# KiCad board Marble.kicad_pcb (continued)
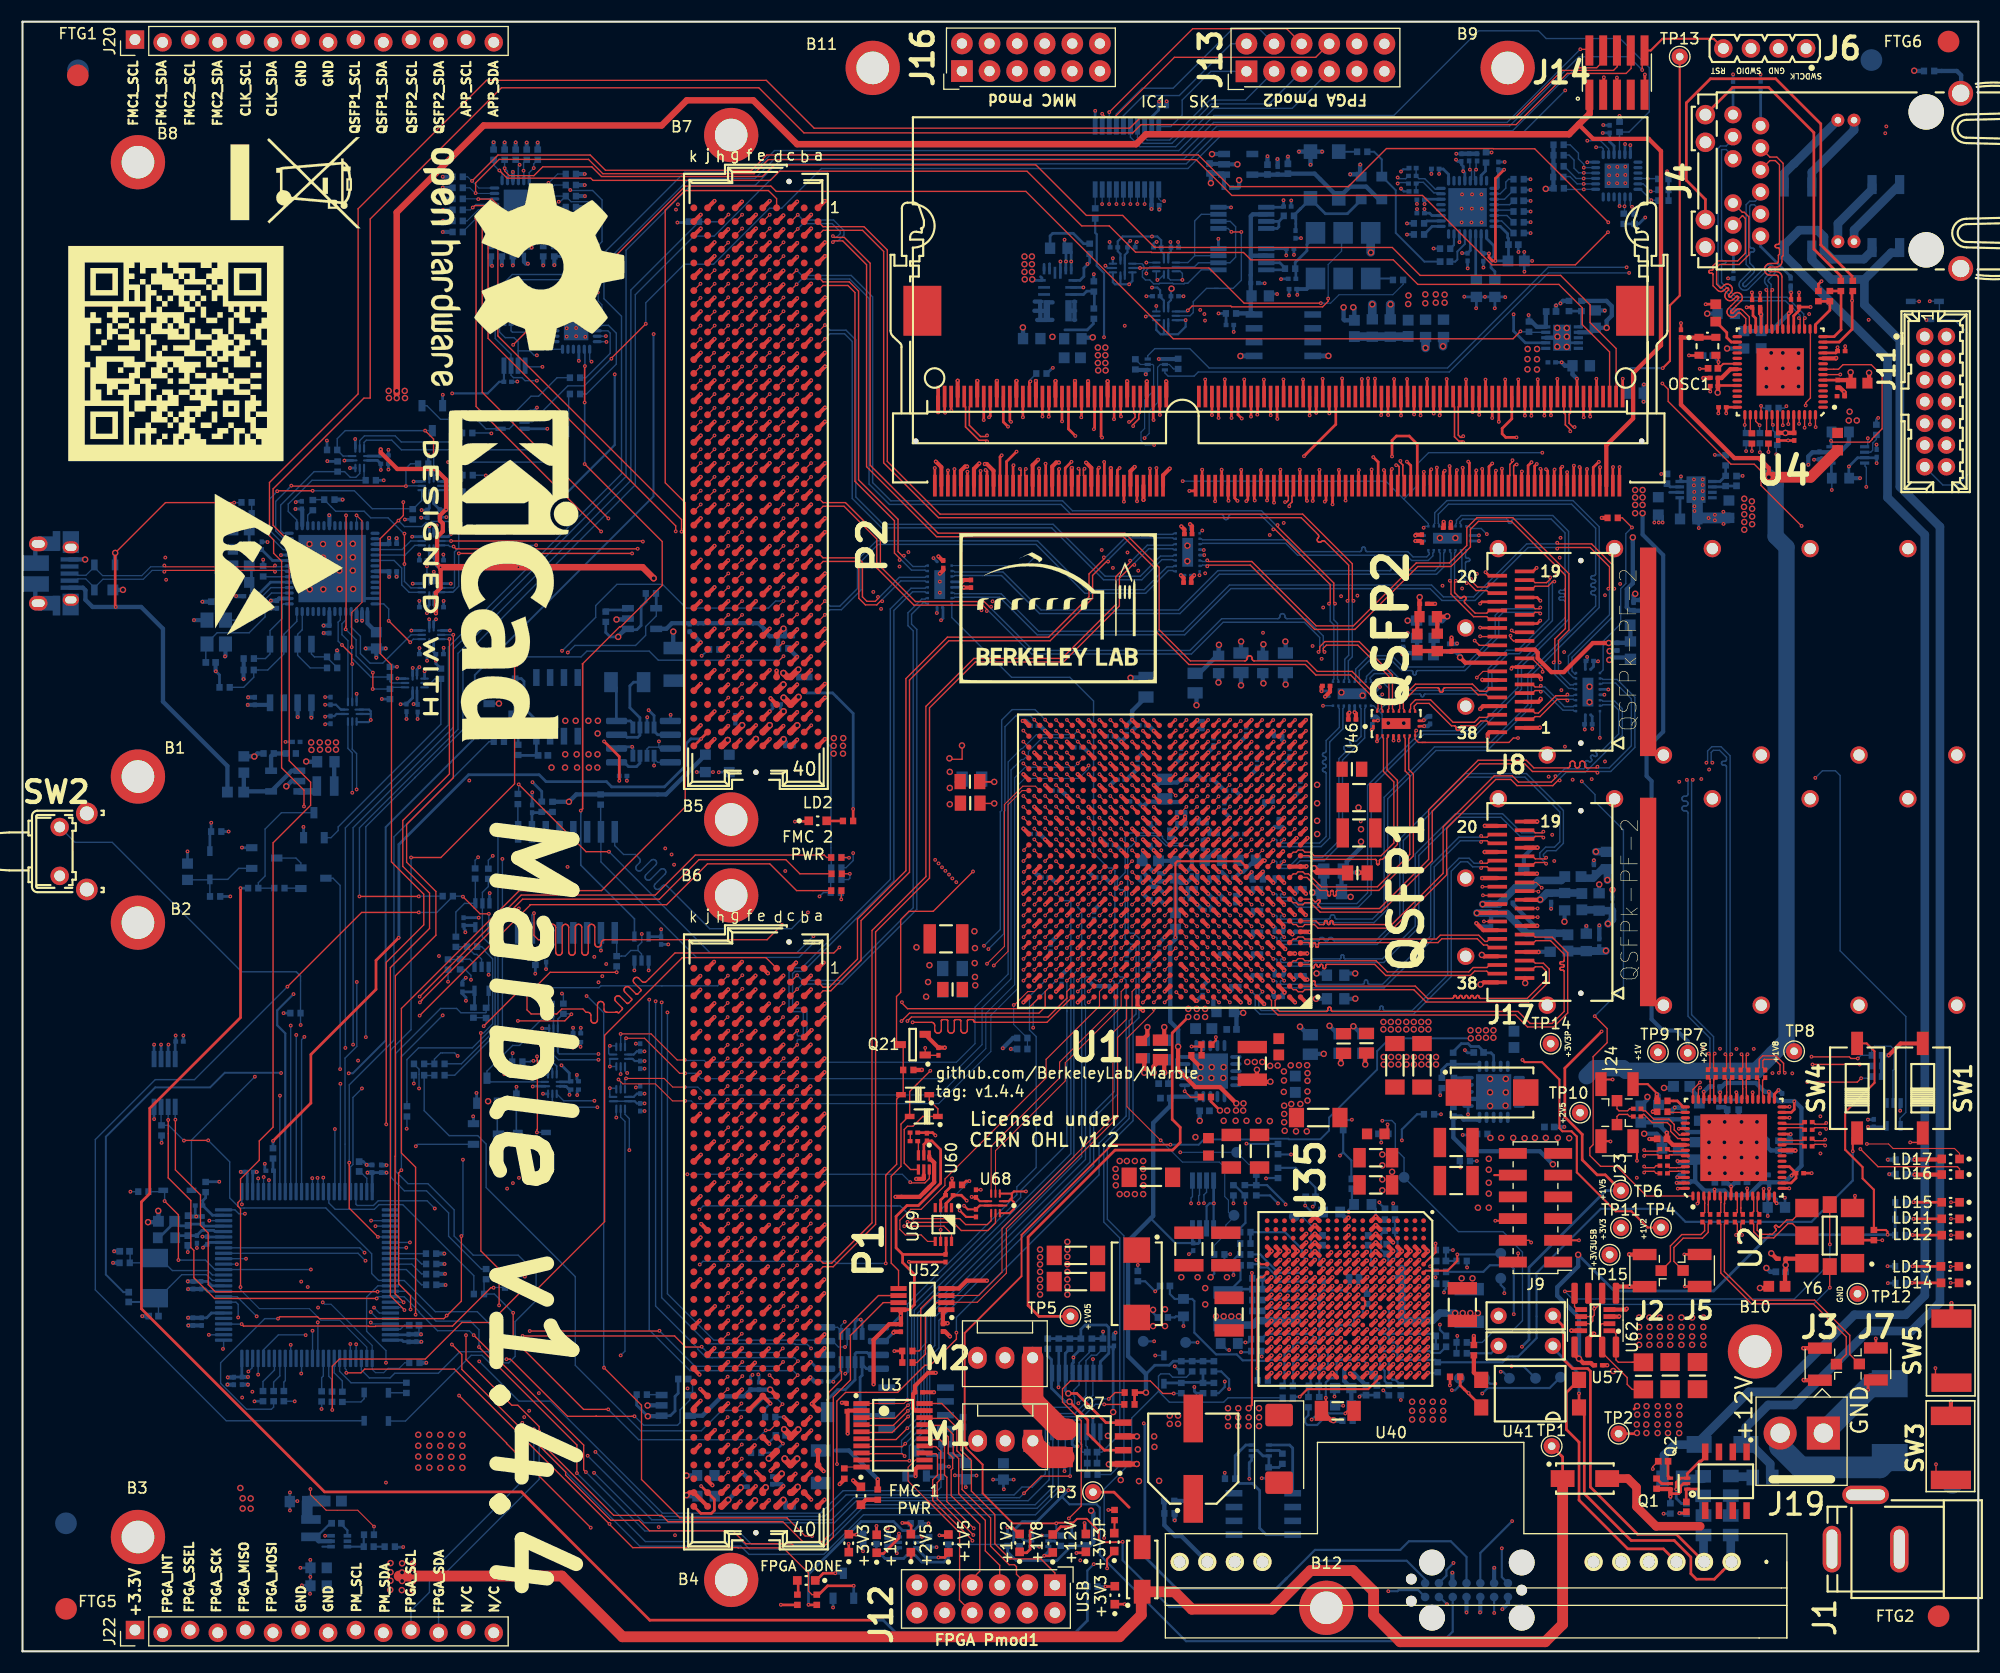
[diagram p0: board, top side]
## Routing (per net, layer and track width the routed paths; a pad name or vN(x,y) marks a point on that pad's centre or on a via; arc(x,y) is an arc through that point) (continued)
FMC2_LA_3_P: length 61
  Top w0.11: 92.61,83.23 v1(92.11,83.73)
  Top w0.112: P2.G9 v1(66.23,123.35)
  In2.Cu w0.1: v1(92.11,83.73) 92.11,84.01 92.2,84.1 92.68,84.1 93,84.43 93,85.25 92.74,85.52 92.74,86.42 87,92.16 87,96.95 87.43,97.38 87.43,105.59 86.48,106.54 86.48,114.93 81.15,120.26 71.11,120.26 70.81,120.57 70.81,121.16 70.32,121.64 68.35,121.64 68.24,121.76 68.24,122.41 67.79,122.86 66.72,122.86 v1(66.23,123.35)
FMC2_LA_4_N: length 73
  Top w0.11: U1.W21 97.12,78.73 v1(97.12,78.73)
  Top w0.112: P2.H11 64.34,120.17 v1(64.95,120.78)
  In9.Cu w0.1: v1(97.12,78.73) 96.76,78.38 95.97,78.38 95.76,78.58 95.76,87.51 87.45,95.82 87.45,103.38 86.48,104.35 86.48,109.3 85.18,110.59 85.18,112.23 83.83,113.58 83.83,117.45 77.1,124.18 64.81,124.18 64.16,123.53 64.16,121.67 64.57,121.26 64.86,121.26 64.95,121.17 v1(64.95,120.78)
FMC2_LA_4_P: length 72
  Top w0.11: U1.V21 97.12,77.73 v1(97.12,77.73)
  Top w0.112: v1(64.95,122.03) 64.36,121.44 P2.H10
  In9.Cu w0.1: v1(64.95,122.03) 64.95,121.65 64.85,121.55 64.69,121.55 64.45,121.79 64.45,123.4 64.93,123.89 76.98,123.89 83.54,117.33 83.54,113.46 84.89,112.11 84.89,110.47 86.19,109.18 86.19,104.23 87.16,103.26 87.16,95.7 95.47,87.39 95.47,78.46 95.85,78.09 96.76,78.09 v1(97.12,77.73)
FMC2_LA_5_N: length 59.7
  Top w0.11: 92.61,82.24 92.6,82.24 v1(92.11,82.73)
  Top w0.112: v1(70.04,119.54) P2.D12 69.4,118.93
  In9.Cu w0.1: v1(70.04,119.54) 70.53,120.03 79.03,120.03 82.26,116.79 82.26,113.36 83.66,111.96 83.66,110.08 83.16,109.59 83.16,103.78 84.98,101.96 84.98,95.23 85.36,94.85 85.36,88.86 87.17,87.05 92.68,87.05 93.48,86.25 93.48,82.5 93.35,82.38 92.19,82.38 92.11,82.45 v1(92.11,82.73)
FMC2_LA_5_P: length 60.6
  Top w0.11: 92.61,81.23 v1(92.11,81.73)
  Top w0.112: P2.D11 v1(70.04,120.81)
  In9.Cu w0.1: v1(70.04,120.81) 70.53,120.32 79.15,120.32 82.55,116.91 82.55,113.48 83.95,112.08 83.95,109.96 83.45,109.47 83.45,103.9 85.27,102.08 85.27,95.35 85.65,94.97 85.65,88.98 87.29,87.34 92.8,87.34 93.77,86.37 93.77,82.38 93.47,82.09 92.19,82.09 92.11,82.01 v1(92.11,81.73)
FMC2_LA_6_N: length 56.9
  Top w0.11: U1.AD24 v1(94.12,83.73)
  Top w0.112: 70.7,120.15 v1(71.33,120.78)
  In2.Cu w0.1: v1(71.33,120.78) 71.82,121.27 83.39,121.27 87.1,117.56 87.1,116.14 87.39,115.84 87.39,108.39 88.48,107.3 88.48,97.22 87.58,96.32 87.58,95.35 88.48,94.45 88.48,91.99 94.47,86 94.47,84.09 v1(94.12,83.73)
FMC2_LA_6_P: length 57.4
  Top w0.11: U1.AD23 v1(95.12,83.73)
  Top w0.112: 70.7,121.42 v1(71.33,122.05)
  In2.Cu w0.1: v1(71.33,122.05) 71.82,121.56 83.51,121.56 87.39,117.68 87.39,116.26 87.68,115.96 87.68,108.51 88.77,107.42 88.77,97.1 87.87,96.2 87.87,95.47 88.77,94.57 88.77,92.11 94.76,86.12 94.76,84.09 v1(95.12,83.73)
FMC2_LA_7_N: length 67.1
  Top w0.11: U1.AC22 v1(96.12,82.73)
  Top w0.112: P2.H14 v1(64.96,117)
  In2.Cu w0.1: v1(64.96,117) 64.96,117.35 64.84,117.47 64.43,117.47 64.11,117.79 64.11,118.57 64.61,119.06 65.46,119.06 65.79,118.73 65.79,118.08 66.12,117.75 78.09,117.75 83.85,111.99 83.85,110.33 83.29,109.77 83.29,104.5 85.18,102.6 85.18,85.13 86.08,84.22 88.56,84.22 90.41,82.38 95.76,82.38 v1(96.12,82.73)
FMC2_LA_7_P: length 66.1
  Top w0.11: U1.AB22 v1(96.12,81.73)
  Top w0.112: P2.H13 64.35,117.63 v1(64.95,118.23)
  In2.Cu w0.1: v1(96.12,81.73) 95.76,82.09 90.29,82.09 88.44,83.93 85.96,83.93 84.89,85.01 84.89,102.48 83,104.38 83,109.89 83.56,110.45 83.56,111.87 77.97,117.46 66,117.46 65.5,117.96 65.5,118.61 65.34,118.77 64.73,118.77 64.4,118.45 64.4,117.91 64.55,117.76 64.82,117.76 64.95,117.89 v1(64.95,118.23)
FMC2_LA_8_N: length 59.1
  Top w0.11: U1.AC24 v1(94.12,82.73)
  Top w0.112: P2.G13 v1(66.23,118.27)
  In2.Cu w0.1: v1(66.23,118.27) 66.72,118.76 78.27,118.76 84.47,112.55 84.47,104.79 85.74,103.52 85.74,88.56 87.9,86.41 87.9,85.71 90.52,83.09 94.27,83.09 94.47,82.88 94.47,82.78 94.42,82.73 v1(94.12,82.73)
FMC2_LA_8_P: length 59.6
  Top w0.11: U1.AC23 v1(95.12,82.73)
  Top w0.112: P2.G12 v1(66.23,119.54)
  In2.Cu w0.1: v1(66.23,119.54) 66.72,119.05 78.39,119.05 84.76,112.67 84.76,104.91 86.03,103.64 86.03,88.68 88.19,86.53 88.19,85.83 90.64,83.38 94.39,83.38 94.76,83 94.76,82.78 94.82,82.73 v1(95.12,82.73)
FMC2_LA_9_N: length 57
  Top w0.11: 92.61,77.24 v1(92.11,77.74)
  Top w0.112: P2.D15 v1(70.04,115.73)
  In9.Cu w0.1: v1(70.04,115.73) 70.04,116.12 69.94,116.22 69.55,116.22 69.47,116.14 69.47,115.44 69.69,115.23 76.14,115.23 78.6,112.77 78.6,99.58 80.25,97.93 80.25,85.28 85.14,80.4 86.19,80.4 89.21,77.38 91.75,77.38 v1(92.11,77.74)
FMC2_LA_9_P: length 57.8
  Top w0.11: v1(92.11,76.73) 92.61,76.23 92.61,76.22
  Top w0.112: P2.D14 v1(70.04,117)
  In9.Cu w0.1: v1(70.04,117) 69.79,117 69.18,116.39 69.18,115.32 69.57,114.94 76.02,114.94 78.31,112.65 78.31,99.46 79.96,97.81 79.96,85.16 85.02,80.11 86.07,80.11 89.45,76.73 v1(92.11,76.73)
FMC2_LA_10_N: length 47
  Top w0.11: U1.AF23 v1(95.12,85.73)
  Top w0.112: P2.C15 v1(71.31,115.73)
  In4.Cu w0.1: v1(71.31,115.73) 71.31,116.16 71.25,116.22 70.83,116.22 70.71,116.09 70.71,115.33 70.75,115.29 75.3,115.29 82.69,107.9 82.69,106.86 87.47,102.08 87.47,101.18 90.87,97.78 90.87,95.09 93.76,92.2 93.76,86.04 93.76,85.6 93.99,85.38 94.76,85.38 v1(95.12,85.73)
FMC2_LA_10_P: length 48
  Top w0.11: U1.AE23 v1(95.12,84.73)
  Top w0.112: P2.C14 v1(71.31,117)
  In4.Cu w0.1: v1(95.12,84.73) 94.76,85.09 93.87,85.09 93.47,85.48 93.47,85.58 93.47,85.58 93.47,85.92 93.47,92.08 90.58,94.97 90.58,97.66 87.18,101.06 87.18,101.96 82.4,106.74 82.4,107.78 75.18,115 70.63,115 70.42,115.21 70.42,116.21 70.71,116.51 71.24,116.51 71.31,116.57 v1(71.31,117)
FMC2_LA_11_N: length 62.3
  Top w0.11: U1.W24 94.12,78.73 v1(94.12,78.73)
  Top w0.112: P2.H17 v1(64.96,113.19)
  In2.Cu w0.1: v1(64.96,113.19) 65.45,113.68 75.81,113.68 80.6,108.89 80.6,102.99 81.97,101.62 81.97,89.07 82.71,88.33 82.71,81.37 83.98,80.1 86.7,80.1 87.63,79.17 92.64,79.17 93.55,80.08 94.29,80.08 94.31,80.06 94.34,80.06 94.47,79.93 94.47,79.09 v1(94.12,78.73)
FMC2_LA_11_P: length 62.8
  Top w0.11: U1.W23 95.12,78.73 v1(95.12,78.73)
  Top w0.112: P2.H16 v1(64.96,114.46)
  In2.Cu w0.1: v1(95.12,78.73) 94.76,79.09 94.76,80.05 94.46,80.35 94.43,80.35 94.41,80.37 93.43,80.37 92.52,79.46 87.75,79.46 86.82,80.39 84.1,80.39 83,81.49 83,88.45 82.26,89.19 82.26,101.74 80.89,103.11 80.89,109.01 75.93,113.97 65.45,113.97 v1(64.96,114.46)
FMC2_LA_12_N: length 61.2
  Top w0.11: U1.AB25 v1(93.12,81.73)
  Top w0.112: P2.G16 v1(66.23,114.46)
  In2.Cu w0.1: v1(93.12,81.73) 93.12,81.49 93,81.38 86.85,81.38 86.51,81.72 84.65,81.72 84.04,82.33 84.04,89.26 83.3,89.99 83.3,102.46 82.07,103.7 82.07,109.43 75.01,116.49 65.79,116.49 65.44,116.14 65.44,115.32 65.81,114.95 66.12,114.95 66.23,114.84 v1(66.23,114.46)
FMC2_LA_12_P: length 60.2
  Top w0.11: U1.AA25 v1(93.12,80.73)
  Top w0.112: P2.G15 v1(66.23,115.73)
  In2.Cu w0.1: v1(93.12,80.73) 93.12,80.97 93,81.09 86.73,81.09 86.39,81.43 84.53,81.43 83.75,82.21 83.75,89.14 83.01,89.87 83.01,102.34 81.78,103.58 81.78,109.31 74.89,116.2 65.91,116.2 65.72,116.02 65.72,115.44 65.93,115.24 66.14,115.24 66.23,115.32 v1(66.23,115.73)
FMC2_LA_13_N: length 56.9
  Top w0.11: v1(94.12,77.74) 94.12,77.73 U1.V24
  Top w0.112: P2.D18 v1(70.04,111.92)
  In2.Cu w0.1: v1(70.04,111.92) 70.53,112.41 75.77,112.41 79.32,108.86 79.32,99.57 80.95,97.94 80.95,88.55 81.6,87.9 81.6,80.77 83.75,78.63 86.52,78.63 87.93,77.21 89.99,77.21 90.87,78.09 94.32,78.09 94.47,77.94 94.47,77.8 94.42,77.74 v1(94.12,77.74)
FMC2_LA_13_P: length 57.4
  Top w0.11: U1.V23 95.12,77.73 v1(95.12,77.74)
  Top w0.112: P2.D17 v1(70.04,113.19)
  In2.Cu w0.1: v1(70.04,113.19) 70.53,112.7 75.89,112.7 79.61,108.98 79.61,99.69 81.24,98.06 81.24,88.67 81.89,88.02 81.89,80.89 83.87,78.92 86.64,78.92 88.05,77.5 89.87,77.5 90.75,78.38 94.44,78.38 94.76,78.06 94.76,77.8 94.83,77.74 v1(95.12,77.74)
FMC2_LA_14_N: length 54.5
  Top w0.11: U1.U25 v1(93.12,76.73)
  Top w0.112: P2.C19 v1(71.31,110.65)
  In2.Cu w0.1: 93.12,76.73 93.42,76.73 93.47,76.79 93.47,76.94 93.33,77.08 91.31,77.08 90.64,76.42 85.99,76.42 85.47,76.93 83.47,76.93 80.43,79.98 80.43,87.52 79.98,87.96 79.98,97.31 78.33,98.97 78.33,108.16 75.35,111.14 71.8,111.14 v1(71.31,110.65)
FMC2_LA_14_P: length 55
  Top w0.11: U1.U24 v1(94.12,76.73)
  Top w0.112: P2.C18 v1(71.31,111.92)
  In2.Cu w0.1: v1(71.31,111.92) 71.8,111.43 75.47,111.43 78.62,108.28 78.62,99.09 80.27,97.43 80.27,88.08 80.72,87.64 80.72,80.1 83.59,77.22 85.59,77.22 86.11,76.71 90.52,76.71 91.19,77.37 93.45,77.37 93.76,77.05 93.76,76.79 93.83,76.73 v1(94.12,76.73)
FMC2_LA_15_N: length 67.8
  Top w0.11: U1.V22 v1(96.12,77.73)
  Top w0.112: P2.H20 v1(64.96,109.38)
  In2.Cu w0.1: v1(96.12,77.73) 95.76,77.38 94.84,77.38 94.47,77 94.47,76.56 94.29,76.38 91.64,76.38 90.86,75.59 83.6,75.59 79.7,79.5 79.7,86.77 77.64,88.83 77.64,107.83 75.3,110.17 69.92,110.17 69.59,110.5 69.59,110.96 69.11,111.44 64.5,111.44 64.04,110.98 64.04,110.82 64.04,110.81 64.04,110.48 64.04,110.47 64.04,110.14 64.31,109.87 64.81,109.87 64.96,109.72 v1(64.96,109.38)
FMC2_LA_15_P: length 66.9
  Top w0.11: U1.U22 v1(96.12,76.73)
  Top w0.112: P2.H19 v1(64.96,110.65)
  In2.Cu w0.1: v1(96.12,76.73) 95.76,77.09 94.97,77.09 94.76,76.88 94.76,76.44 94.41,76.09 91.76,76.09 90.98,75.3 83.48,75.3 79.41,79.38 79.41,86.65 77.35,88.71 77.35,107.71 75.18,109.88 69.8,109.88 69.3,110.38 69.3,110.84 68.99,111.15 64.62,111.15 64.33,110.86 64.33,110.36 64.33,110.35 64.33,110.26 64.43,110.16 64.85,110.16 64.96,110.26 v1(64.96,110.65)
FMC2_LA_16_N: length 52.4
  Top w0.11: 92.61,78.23 92.61,78.23 v1(92.11,78.73)
  Top w0.112: P2.G19 v1(66.23,110.65)
  In4.Cu w0.1: v1(66.23,110.65) 66.72,111.14 74.24,111.14 79.03,106.35 79.03,99.39 80.6,97.82 80.6,96.75 87.9,89.44 87.9,79.77 88.48,79.2 92.39,79.2 92.47,79.11 92.47,78.82 92.38,78.73 v1(92.11,78.73)
FMC2_LA_16_P: length 52.9
  Top w0.11: v1(93.11,78.73) 93.61,78.23 93.61,78.23
  Top w0.112: P2.G18 v1(66.23,111.92)
  In4.Cu w0.1: v1(93.11,78.73) 92.84,78.73 92.76,78.82 92.76,79.24 92.51,79.49 88.6,79.49 88.19,79.89 88.19,89.56 80.89,96.87 80.89,97.94 79.32,99.51 79.32,106.47 74.36,111.43 66.72,111.43 v1(66.23,111.92)
FMC2_LA_17_N: length 64
  Top w0.11: U1.F23 v1(95.12,64.73)
  Top w0.112: P2.D21 v1(70.04,108.11)
  In4.Cu w0.1: v1(95.12,64.73) 95.34,64.95 95.34,65.04 95.3,65.08 94.82,65.08 94.47,65.44 94.47,65.89 94.27,66.08 93.31,66.08 91.6,66.09 90.35,67.34 90.35,73.52 87.8,76.07 81.62,76.07 81.12,76.57 81.12,88.91 75.53,94.49 75.53,107 73.94,108.6 70.53,108.6 v1(70.04,108.11)
FMC2_LA_17_P: length 64.5
  Top w0.11: U1.G22 v1(96.12,65.73)
  Top w0.112: P2.D20 v1(70.04,109.38)
  In4.Cu w0.1: v1(96.12,65.73) 95.76,65.37 94.94,65.37 94.76,65.56 94.76,66.01 94.39,66.37 93.43,66.37 91.72,66.38 90.64,67.46 90.64,73.64 87.92,76.36 81.74,76.36 81.41,76.69 81.41,89.03 75.82,94.61 75.82,107.12 74.06,108.89 70.53,108.89 v1(70.04,109.38)
FMC2_LA_18_N: length 59.4
  Top w0.11: U1.F24 v1(94.12,64.73)
  Top w0.112: P2.C23 v1(71.31,105.57)
  In4.Cu w0.1: v1(94.12,64.73) 93.76,65.09 90.85,65.09 89.15,66.78 89.15,72.94 87.32,74.78 81.11,74.78 79.84,76.05 79.84,87.01 74.4,92.45 74.4,105.5 73.85,106.06 71.8,106.06 v1(71.31,105.57)
FMC2_LA_18_P: length 59.4
  Top w0.11: U1.G24 94.12,65.73 v1(94.12,65.73)
  Top w0.112: P2.C22 v1(71.31,106.84)
  In4.Cu w0.1: v1(71.31,106.84) 71.8,106.35 73.97,106.35 74.69,105.62 74.69,92.57 80.13,87.13 80.13,76.17 81.23,75.07 87.44,75.07 89.44,73.06 89.44,66.9 90.97,65.38 93.76,65.38 v1(94.12,65.73)
FMC2_LA_19_N: length 64.5
  Top w0.11: U1.J23 v1(95.12,67.73)
  Top w0.112: P2.H23 v1(64.96,105.57)
  In2.Cu w0.1: v1(64.96,105.57) 65.45,106.06 73.77,106.06 74.39,105.44 74.39,86.46 76.25,84.6 76.25,80.41 75.41,79.57 75.41,77.17 78.11,74.47 78.87,74.47 85.25,68.09 94.76,68.09 v1(95.12,67.73)
FMC2_LA_19_P: length 64.5
  Top w0.11: U1.K23 v1(95.12,68.73)
  Top w0.112: P2.H22 v1(64.96,106.84)
  In2.Cu w0.1: v1(64.96,106.84) 65.45,106.35 73.89,106.35 74.68,105.56 74.68,86.58 76.54,84.72 76.54,80.29 75.7,79.45 75.7,77.29 78.23,74.76 78.99,74.76 85.37,68.38 94.76,68.38 v1(95.12,68.73)
FMC2_LA_20_N: length 63.1
  Top w0.11: U1.K22 96.12,68.73 v1(96.12,68.73)
  Top w0.112: P2.G22 v1(66.23,106.84)
  In2.Cu w0.1: v1(66.23,106.84) 66.72,107.33 74.11,107.33 75.31,106.13 75.31,87.32 77.33,85.29 77.33,77.82 86.06,69.09 95.76,69.09 v1(96.12,68.73)
FMC2_LA_20_P: length 63.1
  Top w0.11: v1(96.12,69.73) 96.12,69.73 U1.L22
  Top w0.112: P2.G21 v1(66.23,108.11)
  In2.Cu w0.1: v1(66.23,108.11) 66.72,107.62 74.23,107.62 75.6,106.25 75.6,87.44 77.62,85.41 77.62,77.94 86.18,69.38 95.76,69.38 v1(96.12,69.73)
FMC2_LA_21_N: length 62
  Top w0.11: U1.H22 v1(96.12,66.73)
  Top w0.112: P2.H26 v1(64.96,101.76)
  In7.Cu w0.1: v1(96.12,66.73) 96.47,67.08 96.47,69.89 96.27,70.09 95.41,70.09 95.41,70.09 94.83,70.09 94.83,70.09 94.41,70.09 94.41,70.09 91.84,70.09 91.83,70.09 91.82,70.09 91.81,70.09 85.59,70.09 81.45,74.23 81.45,75.19 79.23,77.41 79.23,86.31 77.41,88.12 77.41,98.69 73.85,102.25 65.45,102.25 v1(64.96,101.76)
FMC2_LA_21_P: length 61.9
  Top w0.11: U1.J21 v1(97.12,67.73)
  Top w0.112: P2.H25 v1(64.96,103.03)
  In7.Cu w0.1: v1(64.96,103.03) 65.45,102.54 73.97,102.54 77.7,98.81 77.7,88.24 79.52,86.43 79.52,77.53 81.74,75.31 81.74,74.35 85.71,70.38 91.69,70.38 91.7,70.38 91.95,70.38 91.96,70.38 94.29,70.38 94.29,70.38 94.95,70.38 94.95,70.38 95.29,70.38 95.29,70.38 96.39,70.38 96.76,70.01 96.76,67.61 96.85,67.52 96.91,67.52 v1(97.12,67.73)
FMC2_LA_22_N: length 64.8
  Top w0.11: U1.D25 v1(93.12,62.73)
  Top w0.112: P2.G25 v1(66.23,103.03)
  In2.Cu w0.1: v1(93.12,62.73) 92.76,63.09 90.73,63.09 88.07,60.43 84.58,60.43 84.24,60.76 82.52,60.76 79.16,64.13 79.16,64.47 70.43,73.19 70.43,82.34 69.23,83.55 69.23,84.07 68.82,84.48 68.45,84.48 68.4,84.53 67.11,84.53 66.77,84.87 66.77,103.46 66.71,103.52 66.33,103.52 66.23,103.41 v1(66.23,103.03)
FMC2_LA_22_P: length 64.8
  Top w0.11: U1.E25 v1(93.12,63.73)
  Top w0.112: P2.G24 v1(66.23,104.3)
  In2.Cu w0.1: v1(93.12,63.73) 92.76,63.38 90.61,63.38 87.95,60.72 84.7,60.72 84.36,61.05 82.64,61.05 79.45,64.25 79.45,64.59 70.72,73.31 70.72,82.46 69.52,83.67 69.52,84.19 68.94,84.77 68.57,84.77 68.52,84.82 67.23,84.82 67.06,84.99 67.06,103.58 66.83,103.81 66.33,103.81 66.23,103.9 v1(66.23,104.3)
FMC2_LA_23_N: length 58.3
  Top w0.11: U1.H24 v1(94.12,66.73)
  Top w0.112: P2.D24 v1(70.04,104.3)
  In2.Cu w0.1: v1(70.04,104.3) 70.53,104.79 72.74,104.79 73.07,104.45 73.07,83.66 73.4,83.34 73.4,79.4 73.95,78.85 73.95,76.58 83.44,67.08 94.27,67.08 94.49,66.86 94.49,66.76 94.46,66.73 v1(94.12,66.73)
FMC2_LA_23_P: length 58.7
  Top w0.11: U1.H23 v1(95.12,66.73)
  Top w0.112: P2.D23 v1(70.04,105.57)
  In2.Cu w0.1: v1(70.04,105.57) 70.53,105.08 72.86,105.08 73.36,104.57 73.36,83.78 73.69,83.46 73.69,79.52 74.24,78.97 74.24,76.7 83.56,67.37 94.39,67.37 94.72,67.05 94.72,66.8 94.79,66.73 v1(95.12,66.73)
FMC2_LA_24_N: length 55.1
  Top w0.11: U1.J25 v1(93.12,67.73)
  Top w0.112: P2.H29 v1(64.96,97.95)
  In7.Cu w0.1: v1(93.12,67.73) 93.41,67.73 93.47,67.79 93.47,67.9 93.29,68.09 84.38,68.09 79.34,73.13 79.34,74.2 77.1,76.44 77.1,84.98 75.44,86.65 75.44,96.98 73.99,98.44 65.45,98.44 v1(64.96,97.95)
FMC2_LA_24_P: length 55.6
  Top w0.11: U1.J24 v1(94.12,67.73)
  Top w0.112: P2.H28 v1(64.96,99.22)
  In7.Cu w0.1: v1(94.12,67.73) 93.83,67.73 93.76,67.79 93.76,68.02 93.41,68.38 84.5,68.38 79.63,73.25 79.63,74.32 77.39,76.56 77.39,85.1 75.73,86.77 75.73,97.1 74.11,98.73 65.45,98.73 v1(64.96,99.22)
FMC2_LA_25_N: length 66.7
  Top w0.11: U1.D24 v1(94.12,62.73)
  Top w0.112: P2.G28 v1(66.23,99.22)
  In2.Cu w0.1: v1(66.23,99.22) 66.23,99.6 66.12,99.71 65.87,99.71 65.71,99.55 65.71,83.5 66.51,82.71 68.9,82.71 69.45,82.16 69.45,70.57 70.1,69.92 72.08,69.92 82.89,59.11 87.67,59.11 89.94,61.37 94.38,61.37 94.47,61.47 94.47,62.38 v1(94.12,62.73)
FMC2_LA_25_P: length 68.2
  Top w0.11: U1.D23 v1(95.12,62.73)
  Top w0.112: P2.G27 v1(66.23,100.49)
  In2.Cu w0.1: v1(66.23,100.49) 66.23,100.1 66.12,100 65.75,100 65.42,99.67 65.42,83.38 66.39,82.42 68.78,82.42 69.16,82.04 69.16,70.45 69.98,69.63 71.96,69.63 82.77,58.82 87.79,58.82 90.06,61.08 94.5,61.08 94.76,61.35 94.76,62.38 v1(95.12,62.73)
FMC2_LA_26_N: length 55.1
  Top w0.11: 92.61,64.23 92.13,63.74
  Top w0.112: P2.D27 v1(70.04,100.49)
  In2.Cu w0.1: 92.13,63.74 92.35,63.96 92.35,64.05 92.31,64.09 89.61,64.09 89.41,63.89 81.91,63.89 71.87,73.93 71.87,76.91 71.29,77.49 71.29,82.83 70.55,83.56 70.55,100.75 70.32,100.98 70.13,100.98 70.04,100.88 v1(70.04,100.49)
  vias: v1(92.13,63.73)
FMC2_LA_26_P: length 55.5
  Top w0.11: v1(93.14,64.73) 93.62,65.21 93.62,65.24
  Top w0.112: P2.D26 v1(70.04,101.76)
  In2.Cu w0.1: v1(70.04,101.76) 70.82,100.98 70.82,83.71 71.58,82.95 71.58,77.61 72.16,77.03 72.16,74.05 82.03,64.18 89.29,64.18 89.49,64.38 92.78,64.38 v1(93.14,64.73)
FMC2_LA_27_N: length 57.7
  Top w0.11: U1.G21 v1(97.12,65.73)
  Top w0.112: P2.C27 v1(71.31,100.49)
  In2.Cu w0.1: v1(71.31,100.49) 71.31,100.87 71.41,100.98 71.64,100.98 71.78,100.83 71.78,90.71 71.9,90.59 71.9,87.62 71.78,87.5 71.78,83.62 72.29,83.12 72.29,78.45 73.02,77.72 73.02,74.71 75.61,72.12 76.47,72.12 83.17,65.43 89.24,65.43 89.89,66.09 96.76,66.09 v1(97.12,65.73)
FMC2_LA_27_P: length 57.7
  Top w0.11: U1.H21 v1(97.12,66.73)
  Top w0.112: P2.C26 v1(71.31,101.76)
  In2.Cu w0.1: v1(97.12,66.73) 96.76,66.38 89.77,66.38 89.12,65.72 83.29,65.72 76.59,72.41 75.73,72.41 73.31,74.83 73.31,77.84 72.58,78.57 72.58,83.24 72.07,83.74 72.07,87.38 72.19,87.5 72.19,90.71 72.07,90.83 72.07,100.95 71.76,101.27 71.42,101.27 71.31,101.38 v1(71.31,101.76)
FMC2_LA_28_N: length 53.1
  Top w0.11: 92.64,66.24 92.64,66.23 v1(92.14,65.73)
  Top w0.112: P2.H32 v1(64.96,94.14)
  In7.Cu w0.1: v1(64.96,94.14) 65.45,94.63 66.35,94.63 66.76,94.21 66.76,93.74 67.19,93.31 72.82,93.31 73.07,93.07 73.07,81.76 73.71,81.12 73.71,74.41 75.94,72.17 77.32,72.17 84.03,65.46 88.41,65.46 89.03,66.08 92.33,66.08 92.49,65.92 92.49,65.82 92.4,65.73 v1(92.14,65.73)
FMC2_LA_28_P: length 53.6
  Top w0.11: 93.64,66.24 93.64,66.23 v1(93.14,65.73)
  Top w0.112: P2.H31 v1(64.96,95.41)
  In7.Cu w0.1: v1(64.96,95.41) 65.45,94.92 66.47,94.92 67.05,94.33 67.05,93.86 67.31,93.6 72.95,93.6 73.36,93.19 73.36,81.88 74,81.24 74,74.53 76.06,72.46 77.44,72.46 84.15,65.75 88.29,65.75 88.91,66.37 92.45,66.37 92.78,66.04 92.78,65.78 92.83,65.73 v1(93.14,65.73)
FMC2_LA_29_N: length 50.5
  Top w0.11: 92.62,67.21 92.61,67.21 v1(92.13,66.73)
  Top w0.112: P2.G31 v1(66.23,95.41)
  In7.Cu w0.1: v1(92.13,66.73) 91.77,67.08 83.85,67.08 75.74,75.19 75.74,80.98 76.14,81.38 76.14,84.54 74.56,86.12 74.56,92.99 74.12,93.43 73.61,93.43 73.16,93.88 73.16,94.4 72.87,94.69 68.26,94.69 67.89,95.06 67.89,95.62 67.62,95.9 66.72,95.9 v1(66.23,95.41)
FMC2_LA_29_P: length 50.5
  Top w0.11: 92.61,68.22 v1(92.13,67.73)
  Top w0.112: P2.G30 v1(66.23,96.68)
  In7.Cu w0.1: v1(92.13,67.73) 91.77,67.37 83.97,67.37 76.03,75.31 76.03,80.86 76.43,81.26 76.43,84.66 74.85,86.24 74.85,93.11 74.24,93.72 73.73,93.72 73.45,94 73.45,94.52 72.99,94.98 68.38,94.98 68.18,95.18 68.18,95.74 67.74,96.19 66.72,96.19 v1(66.23,96.68)
FMC2_LA_30_N: length 50.5
  Top w0.11: v1(92.13,61.73) 92.6,62.21 92.62,62.21
  Top w0.112: P2.H35 v1(64.96,90.33)
  In7.Cu w0.1: v1(64.96,90.33) 65.45,90.82 70.11,90.82 70.59,90.34 70.59,78.68 71.54,77.72 71.54,73.59 82.89,62.23 85.68,62.23 86.01,62.56 88.05,62.56 88.53,62.08 91.77,62.08 v1(92.13,61.73)
FMC2_LA_30_P: length 50.3
  Top w0.11: 92.62,63.22 v1(92.13,62.73)
  Top w0.112: P2.H34 v1(64.96,91.6)
  In7.Cu w0.1: v1(64.96,91.6) 65.45,91.11 70.27,91.11 70.82,90.56 70.82,78.85 71.83,77.84 71.83,73.71 83.01,62.52 85.56,62.52 85.89,62.85 88.17,62.85 88.29,62.73 v1(92.13,62.73)
FMC2_LA_31_N: length 55.6
  Top w0.11: U1.E22 v1(96.12,63.73)
  Top w0.112: P2.G34 v1(66.23,91.6)
  In7.Cu w0.1: v1(96.12,63.73) 96.47,64.09 96.47,64.98 96.37,65.09 91.18,65.09 90,63.91 83.87,63.91 76.97,70.82 75.9,70.82 72.58,74.14 72.58,78.56 71.8,79.34 71.8,87.52 71.9,87.62 71.9,90.59 71.8,90.69 71.8,91.8 71.52,92.09 66.72,92.09 v1(66.23,91.6)
FMC2_LA_31_P: length 56.1
  Top w0.11: U1.E21 v1(97.12,63.73)
  Top w0.112: P2.G33 v1(66.23,92.87)
  In7.Cu w0.1: v1(66.23,92.87) 66.72,92.38 71.64,92.38 72.09,91.92 72.09,90.81 72.19,90.71 72.19,87.5 72.09,87.4 72.09,79.46 72.87,78.68 72.87,74.26 76.02,71.11 77.09,71.11 83.99,64.2 89.88,64.2 91.06,65.38 96.49,65.38 96.76,65.1 96.76,64.09 v1(97.12,63.73)
FMC2_LA_32_N: length 55.8
  Top w0.11: v1(98.12,59.74) 98.62,60.24 98.63,60.24
  Top w0.112: P2.H38 v1(64.96,86.52)
  In7.Cu w0.1: v1(64.96,86.52) 65.45,87.01 67.6,87.01 68.07,86.53 68.07,85.63 68,85.56 68,84.93 68.07,84.86 68.07,83.02 68.58,82.51 68.58,70.98 70.62,68.95 72.44,68.95 82.05,59.35 89.09,59.35 89.84,60.09 97.77,60.09 v1(98.12,59.74)
FMC2_LA_32_P: length 55.8
  Top w0.11: 98.63,61.24 98.62,61.24 v1(98.12,60.74)
  Top w0.112: P2.H37 v1(64.96,87.79)
  In7.Cu w0.1: v1(64.96,87.79) 65.45,87.3 67.72,87.3 68.36,86.65 68.36,85.51 68.29,85.44 68.29,85.05 68.36,84.98 68.36,83.14 68.87,82.63 68.87,71.1 70.74,69.24 72.56,69.24 82.17,59.64 88.97,59.64 89.72,60.38 94.95,60.38 94.95,60.38 97.77,60.38 v1(98.12,60.74)
FMC2_LA_33_N: length 52.9
  Top w0.11: U1.B21 97.13,60.74 v1(97.12,60.74)
  Top w0.112: v1(66.23,87.79) P2.G37 65.59,87.18
  In7.Cu w0.1: v1(66.23,87.79) 66.72,88.28 68.91,88.28 69.28,87.9 69.28,83.34 69.77,82.85 69.77,73.82 74.78,68.82 74.78,68.39 82.38,60.8 85.24,60.8 85.68,60.35 88.56,60.35 89.3,61.09 96.77,61.09 v1(97.12,60.74)
FMC2_LA_33_P: length 52.9
  Top w0.11: U1.C21 v1(97.12,61.73)
  Top w0.112: 65.62,88.42 P2.G36 v1(66.23,89.06)
  In7.Cu w0.1: v1(97.12,61.73) 96.77,61.38 89.18,61.38 88.44,60.64 85.8,60.64 85.36,61.09 82.5,61.09 75.07,68.51 75.07,68.94 70.06,73.94 70.06,82.97 69.57,83.46 69.57,88.02 69.03,88.57 66.72,88.57 v1(66.23,89.06)
INTVCC0: length 16.7
  Top w0.4: U35.E7 v1(126.15,35.23)
  In2.Cu w0.2: v1(130.45,30.07) 130.45,33.43 130.55,33.53 130.55,35.03 129.65,35.93 129.49,35.93 129.19,35.63 128.39,35.63 128.15,35.39 128.15,35.07 127.91,34.83 126.55,34.83 v1(126.15,35.23)
  Bottom w0.2: 125.35,36.58 125.71,36.22 125.71,35.67 v1(126.15,35.23) ; C140.2 125.43,36.58 125.04,36.97 125.04,38.39 R150.1 ; R206.2 130.45,29.6 v1(130.45,30.07)
INTVCC3: length 16.1
  Top w0.4: U35.R11 v1(118.15,32.03)
  In2.Cu w0.2: v1(118.15,32.03) 117.75,32.43 116.7,32.43 116.61,32.33 116.05,32.33 115.95,32.43 113.65,32.43 v1(111.45,34.63)
  Bottom w0.2: v1(118.15,32.03) 117.75,31.63 116.71,31.63 116.61,31.53 116.28,31.53 116.19,31.63 114.4,31.63 C144.2 ; v1(111.45,34.63) 111.45,36.03 111.95,36.53 R194.2 R171.1
INTVCC12: length 15.4
  Top w0.4: U35.K9 v1(122.15,33.63)
  In4.Cu w0.2: v1(122.15,33.63) 122.15,33.83 120.95,35.03 120.95,35.43 120.85,35.53 120.85,36.93 119.85,37.93 119.85,38.89 119.11,39.63 118.35,39.63 116.45,41.53 115.85,41.53 v1(115.55,41.23)
  Bottom w0.2: R191.1 114.82,41.96 v1(115.55,41.23)
  Bottom w0.4: C148.2 122.15,34.38 v1(122.15,33.63)
MGTAVCC: length 110.7
  Top w0.254: TP5.1 93.55,30.83 92.55,31.83 92.55,38.13 100.55,46.13 105.85,46.13 106.55,46.83 106.55,48.23 105.81,48.97 105.81,56.91 v2(107.29,58.39)
  Top w0.381: U1.G6 v1(113.12,65.73) ; U1.L6 v1(113.12,69.73) ; U1.J6 v1(113.12,67.73) ; v1(113.1,61.73) 113.1,61.75 U1.C6 ; U1.E6 113.04,63.81 v1(113.04,63.77)
  In4.Cu w0.254: v1(103.2,20.98) 100.3,20.98 97.59,23.69 97.59,27.99 96.45,29.13 TP5.1
  Bottom w0.2: J21.11 132.9,8.68 131.45,10.13 127.6,10.13 126.8,9.33 118.95,9.33 116.2,6.58
  Bottom w0.254: v1(103.2,20.98) 103.3,20.88 103.3,8.68 106.2,5.78 115.4,5.78 116.35,6.73
  Bottom w0.381: C219.1 113.27,67.88 v1(113.12,67.73) ; v1(113.12,69.73) 113.27,69.88 C381.1 ; v1(113.12,65.73) 113.27,65.88 C4.1 ; C217.1 113.27,64 v1(113.04,63.77) ; C221.1 113.1,62.07 v1(113.1,61.73)
  Bottom w0.4: 109.6,59.91 109.6,59.1 109.87,58.83 109.87,58.77
  vias: v2(107.29,59.13) v2(108.08,59.13) v2(108.08,58.39) v2(108.84,59.13) v2(108.84,58.39)
MGTAVTT: length 139.9
  Top w0.178: v1(95.15,11.78) 95.2,11.83 96.38,11.83 96.41,11.86 96.73,11.86 97.06,12.19 97.94,12.19 99.05,11.08 99.05,10.33 99.34,10.05 101.26,10.05 ; v1(95.15,11.78) 91.13,11.78 88.36,14.54 88.36,17.19 86.87,18.68 86.87,18.77 86.71,18.92 86.71,29.29 91.95,34.53 91.95,38.33 100.25,46.63 v1(105.65,46.63) ; v1(95.15,11.78) 95.16,11.79
  Top w0.381: U1.M3 v1(116.12,70.73) ; U1.L2 v1(117.12,69.73) ; v1(116.87,65.99) 116.64,66.23 U1.G2 ; v1(117,61.83) 117,61.85 U1.C2 ; v1(116.1,62.68) 116.12,62.7 116.12,62.73 U1.D3 ; U1.M5 113.87,71.48 113.87,71.48 114.13,71.74 ; U1.B3 116.15,60.7 v1(116.15,60.64) ; v1(116.05,66.68) 116.05,66.8 U1.H3
  Bottom w0.178: v2(133.29,56.42) 125.85,56.42 124.67,55.25 124.67,53.55 120.25,49.13 120.25,47.93 119.45,47.13 116.55,47.13 116.5,47.18 114.3,47.18 114.23,47.12 108.73,47.12 108.25,46.63 v1(105.65,46.63) ; R253.1 95.15,11.05 v1(95.15,11.78)
  Bottom w0.2: J21.8 129.09,6.64 127.4,8.33 119.4,8.33 115.15,4.08 105.55,4.08 101.25,8.38 v1(101.25,10.08)
  Bottom w0.381: v1(116.12,70.73) 115.97,70.88 C380.1 ; v1(117.12,69.73) 117.27,69.88 C234.1 ; v1(117,61.83) 117.27,62.1 C230.1 ; C232.1 117.11,66.23 v1(116.87,65.99) ; C225.1 v2(119.05,60.06) ; 120.05,62.4 v2(119.1,62.4)